# Altium PCB spin5v1_simple.PcbDoc (part 17 of 25)
Units mm, origin at the board's own origin, x right, y up, seen from the top; angles counter-clockwise.
Board outline 220.03 x 233.43 mm, 2 copper layers (TOP, BOTTOM), stack 0.176 mm thick; 1457 components, 4724 nets, 19245 pads, 25289 vias.
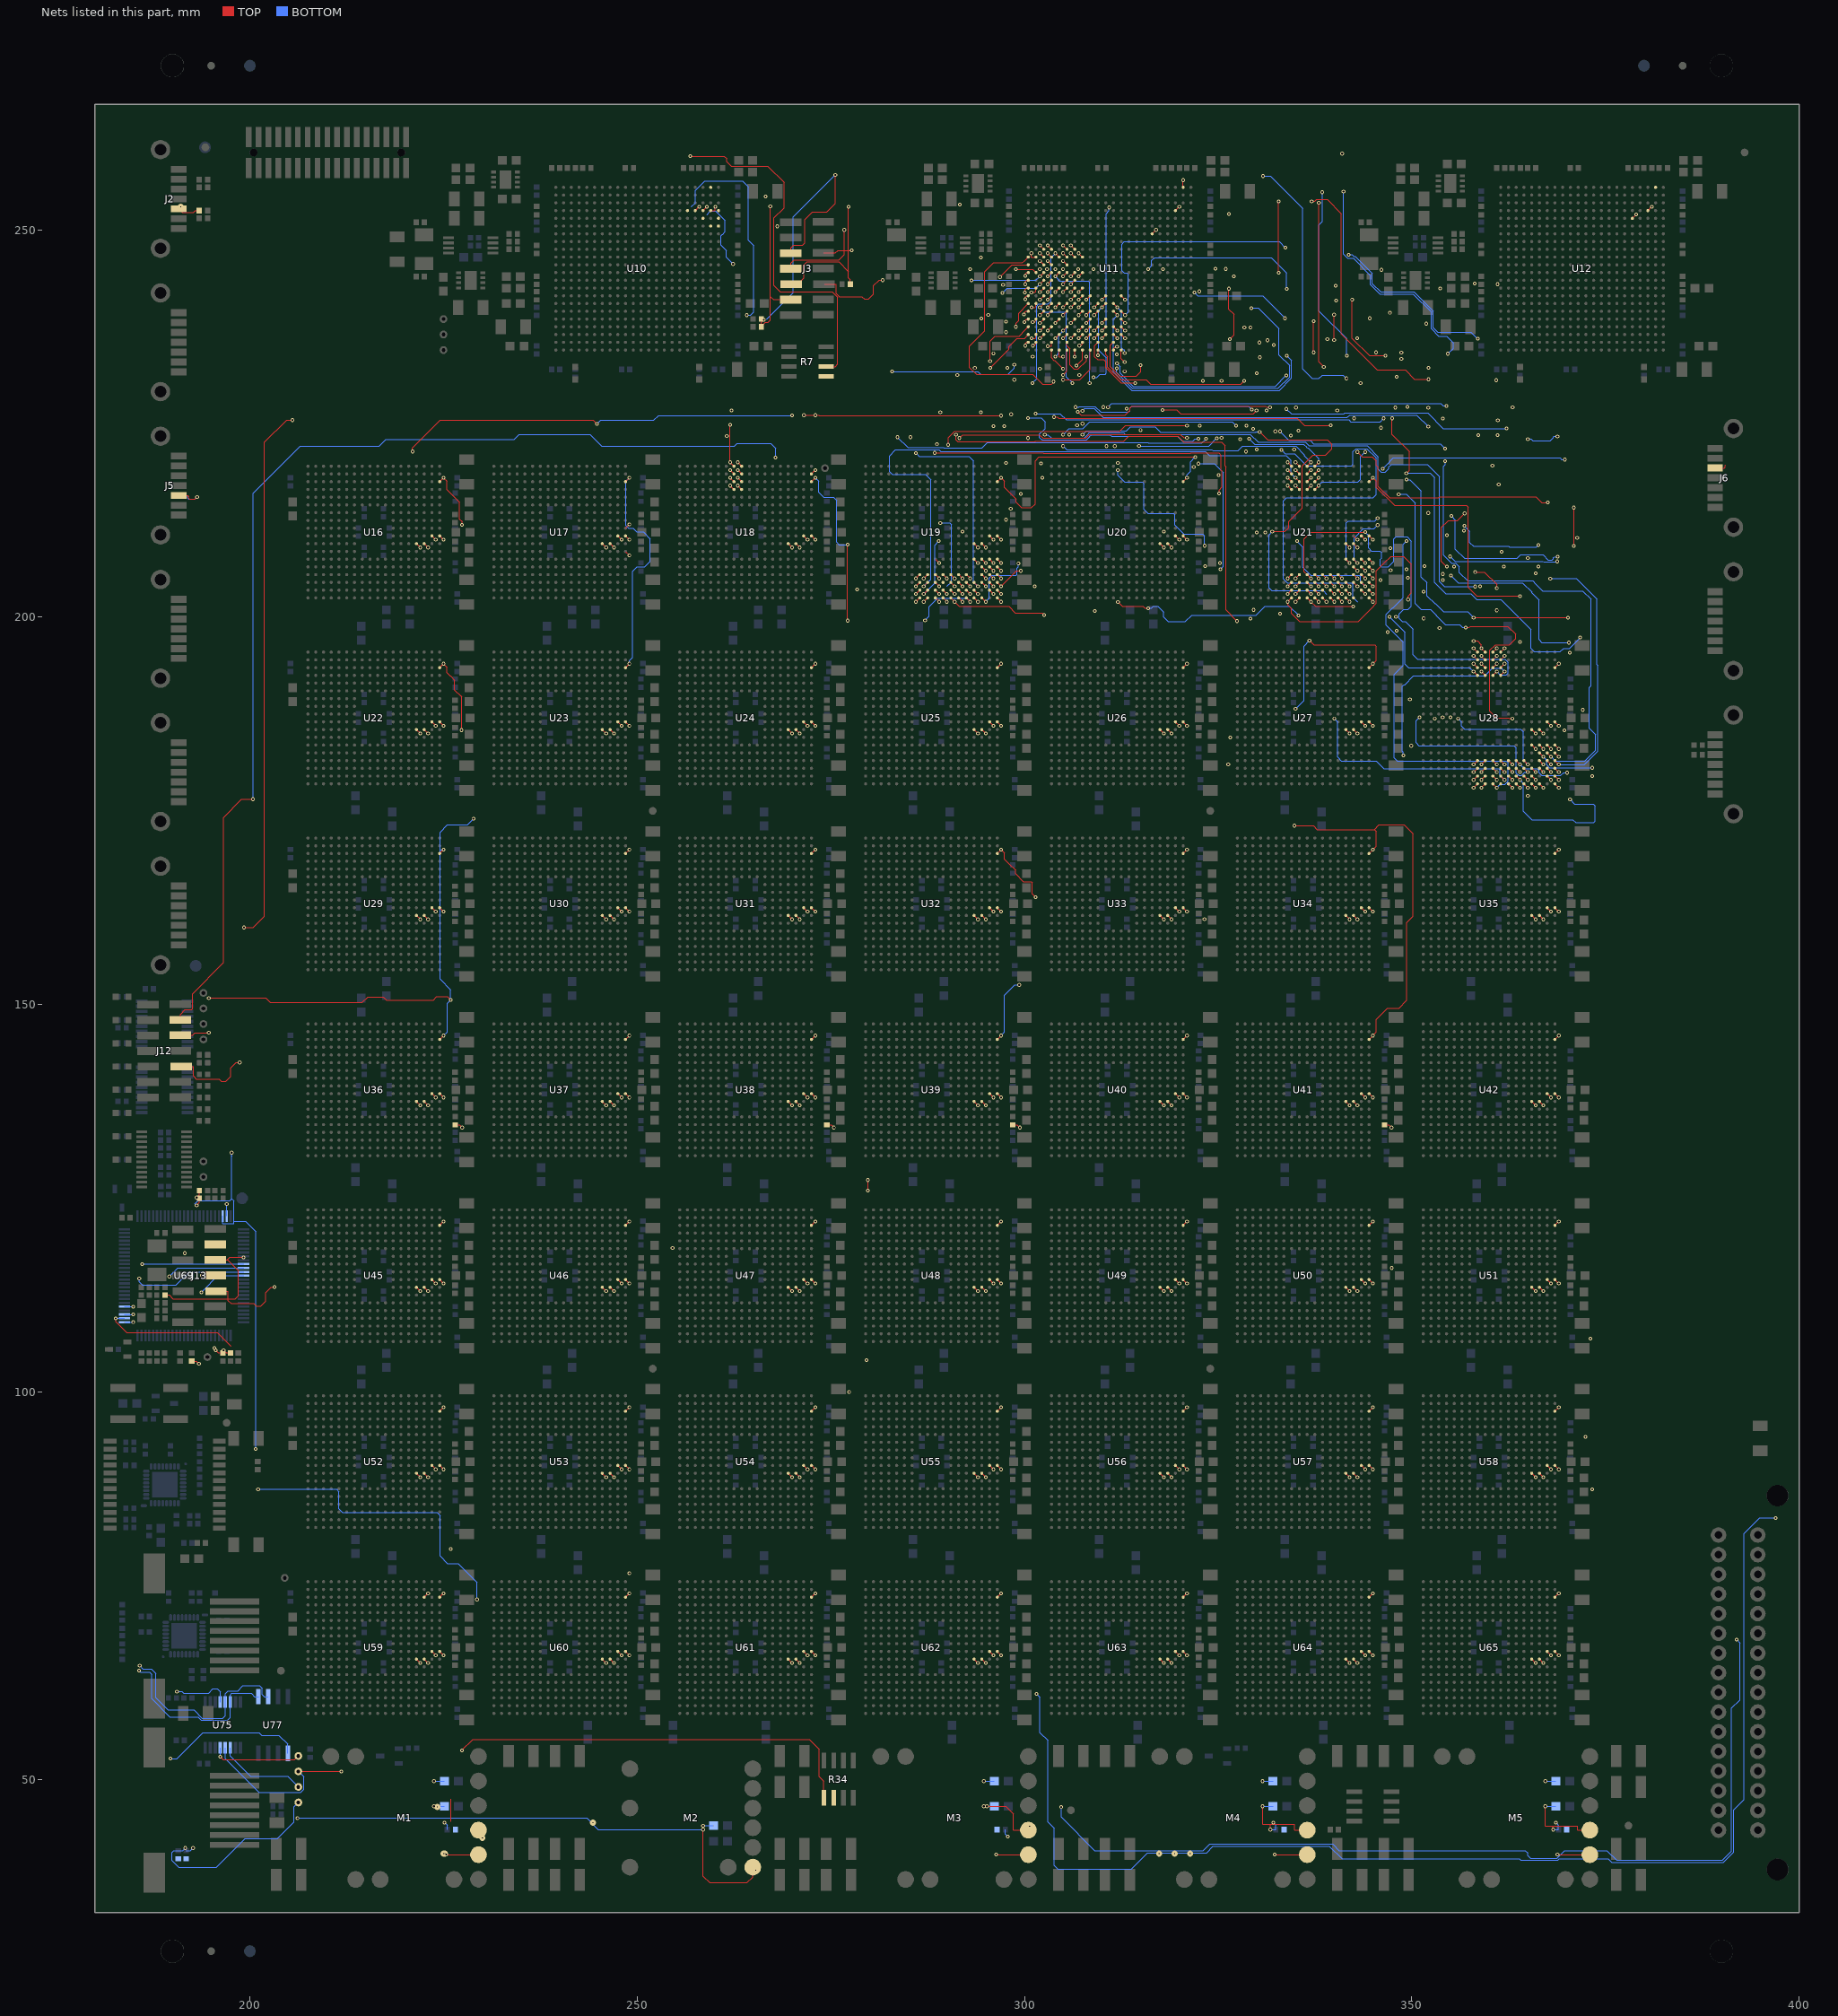
[diagram p17: the nets of this part, all layers, seen from the top]

## Via types
v1: diameter 0.48, hole 0.25, TOP to BOTTOM, 22348 vias
v2: diameter 0.61, hole 0.3, TOP to BOTTOM, 2059 vias
v3: diameter 0.8, hole 0, TOP to BOTTOM, 882 vias

## Nets (pads, with @x,y where several pads share a name; then routed paths per layer and width w, separated by ;. In a path a pad name is that pad's centre, name@x,y a point inside that pad or via, vN(x,y) a via of type N, cw(c..) or ccw(c..) an arc to the next point about the centre after c; other vN are vias at no path point) (continued)
S45_L3<8>: U10.D18 U18.D9 | length 27.5
  BOTTOM w0.127: 257,253 257.505,253.505 257.505,255.125 258.712,256.332 263.592,256.332 264.354,255.57 264.354,248.681 265.031,248.004 265.031,239.391 264.634,238.994 v1(264.146,238.994)
  other v1: 263,217
S45_L3<9>: U10.D19 U18.A8 | length 4.8
  TOP w0.127: v1(262,220) v1(262,224.846)
  other v1: 258,253
S45_L3<10>: U10.D21 U18.B8
  other v1: 262,219 261.569,223.38 260.099,253
S45_L3<11>: U10.D22 U18.C8
  other v1: 262,218 266.597,254.307
S45_L3<12>: U10.E20 U18.D8 | length 9.5
  BOTTOM w0.127: 259,252 259.431,252.431 260.156,252.431 261.363,251.224 261.363,249.75 261.045,249.432 261.022,249.432 260.823,249.233 260.823,248.049 261.51,247.362 261.51,246.475 v1(262.381,245.604)
  other v1: 262,217
S45_L3<13>: U10.E22 U18.A9
  other v1: 263,220
S45_L3<14>: U10.F21 U18.B9
  other v1: 263,219 268.097,250.465
S45_L3<15>: U10.F22 U18.C9
  other v1: 263,218 262.2,226.685
S46_L0<0>: U19.R11 U21.D11 | length 41.9
  TOP w0.127: v1(290.17,222.267) 290.17,223.173 290.996,223.999 312.293,223.999 313.033,224.739 v1(321,224.739)
  BOTTOM w0.127: v1(338,217) 338.431,217.431 343.05,217.431 343.431,217.812 343.431,220.77 v1(344,221.339)
  other v1: 290,205
S46_L0<1>: U19.V10 U21.A10 | length 33.5
  BOTTOM w0.127: v1(305,222.093) 305.469,221.624 324.194,221.624 324.333,221.485 327.574,221.485 328.186,222.097 335.05,222.097 336.193,220.954 336.193,220.807 v1(337,220)
  other v1: 289,202 289.142,226.461
S46_L0<2>: U19.U10 U21.B10
  other v1: 289,203 318,211.068 337,219
S46_L0<3>: U19.T10 U21.C10 | length 41
  BOTTOM w0.127: v1(283.6,223.256) 284.955,221.901 289.56,221.901 289.625,221.836 294.506,221.836 295.202,222.532 315.973,222.532 316.02,222.485 322.909,222.485 v1(323.456,223.032)
  other v1: 289,204 337,218
S46_L0<4>: U19.R10 U21.D10 | length 59.5
  TOP w0.127: v1(291.176,223.559) 291.176,222.897 291.375,222.698 301.394,222.698 301.413,222.717 308.463,222.717 308.476,222.704 312.847,222.704 313.49,223.347 319.821,223.347 320.567,222.601 325.458,222.601 325.903,222.156 325.903,219.521 326.011,219.413 326.011,200.93 v1(327.43,199.511)
  other v1: 289,205 325.243,207 330,210.931 337,217
S46_L0<5>: U19.V11 U21.A11 | length 27.3
  BOTTOM w0.127: v1(282.913,231.716) 293.984,231.716 294.354,231.346 297.869,231.346 298.695,232.172 v1(298.695,232.608) ; v1(329,223.066) 329.715,222.351 336.05,222.351 336.447,221.954 336.447,221.944 336.547,221.844 336.603,221.844 338,220.447 v1(338,220)
  other v1: 290,202 278.393,203.6
S46_L0<6>: U19.U11 U21.B11
  other v1: 290,203 338,219
S46_L0<7>: U19.T11 U21.C11 | length 9.7
  BOTTOM w0.127: v1(289.146,212.172) 290.362,212.172 290.561,211.973 290.561,204.561 290,204
  other v1: 338,218
S46_L0<8>: U19.R9 U21.D9
  other v1: 287,205 335,217
S46_L0<9>: U19.V8 U21.A8
  other v1: 286,202 334,220
S46_L0<10>: U19.U8 U21.B8 | length 30.1
  TOP w0.127: v1(291.607,223.129) 292.038,223.56 301.955,223.56 302.379,223.136 307.951,223.136 308.416,223.601 320.139,223.601 320.569,223.171 v1(321,223.171)
  other v1: 286,203 334,219 334.401,223.466 329.547,224.321
S46_L0<11>: U19.T8 U21.C8
  other v1: 286,204 334,218
S46_L0<12>: U19.R8 U21.D8 | length 23.2
  BOTTOM w0.127: v1(305,223.568) 305.76,224.328 307.538,224.328 308.438,225.228 326.835,225.228 v1(327.341,224.722)
  other v1: 286,205 334,217 285.279,223.256
S46_L0<13>: U19.V9 U21.A9
  other v1: 287,202 335,220
S46_L0<14>: U19.U9 U21.B9 | length 49.9
  TOP w0.127: v1(288.4,221.216) 302.375,221.216 302.446,221.145 321.428,221.145 321.499,221.216 325.077,221.216 325.395,220.898 325.395,218.972 325.503,218.864 325.503,216.793 325.141,216.431 v1(325.141,216)
  BOTTOM w0.127: v1(287,203) 288.426,204.426 288.426,209.32 v1(288.934,209.828)
  other v1: 289,207 335,219
S46_L0<15>: U19.T9 U21.C9 | length 77.2
  BOTTOM w0.127: v1(287,204) 287.918,204.918 287.918,217.732 287.219,218.431 282.95,218.431 282.569,218.812 282.569,220.841 283.331,221.603 283.347,221.603 283.391,221.647 288.946,221.647 289.223,221.37 323.394,221.37 323.901,220.863 333.796,220.863 334.431,220.228 334.431,218.569 v1(335,218)
S46_L1<0>: U11.M1 U19.V16 | length 8.5
  BOTTOM w0.127: v1(295,202) 295.432,202.432 295.432,205.05 295.813,205.431 298.951,205.431 299.051,205.531 299.051,206.351 299.227,206.527 v1(299.227,206.958)
  other v1: 300.099,244.065 305,244.931
S46_L1<1>: U11.M2 U19.V14 | length 7.9
  BOTTOM w0.127: v1(287.168,199.599) 287.685,200.116 287.685,201.351 288.765,202.431 292.569,202.431 v1(293,202)
  other v1: 298.895,244.927
S46_L1<2>: U11.M3 U19.U14 | length 9.1
  BOTTOM w0.127: v1(293.158,243.496) 301.496,243.496 v1(302,244)
  other v1: 293,203
S46_L1<3>: U11.M4 U19.T14
  other v1: 293,204 303,244
S46_L1<4>: U11.M5 U19.R14 | length 17.8
  BOTTOM w0.127: v1(304,244) 304.569,243.431 308.232,243.431 308.431,243.232 v1(308.431,230.23)
  other v1: 293,205 298.695,230.661
S46_L1<5>: U11.M6 U19.V15
  other v1: 294,202 305,244
S46_L1<6>: U11.M7 U19.U15
  other v1: 294,203 294.4,226.461 306,244
S46_L1<7>: U11.M8 U19.T15 | length 24.3
  BOTTOM w0.127: v1(286,221.209) 286.438,220.771 292.859,220.771 293.431,220.199 293.431,204.569 v1(294,204)
  other v1: 294.442,238.567 307,244
S46_L1<8>: U11.N1 U19.R13
  other v1: 292,205 300.099,243
S46_L1<9>: U11.N3 U19.V12 | length 17.5
  TOP w0.127: v1(291,202) 291.597,201.403 297.983,201.403 298.825,200.561 302.288,200.561 v1(302.542,200.307)
  BOTTOM w0.127: v1(297.169,241.866) 297.799,242.496 301.496,242.496 v1(302,243)
  other v1: 299.546,215.938
S46_L1<10>: U11.N4 U19.U12
  other v1: 291,203 303,243
S46_L1<11>: U11.N6 U19.T12
  other v1: 291,204 297.615,212.6 298.295,226.204 305,243
S46_L1<12>: U11.N7 U19.R12
  other v1: 291,205 288.7,222.332 291.34,231.285 306,243
S46_L1<13>: U11.P1 U19.V13
  other v1: 292,202 300.069,241.931
S46_L1<14>: U11.P2 U19.U13
  other v1: 292,203 300.901,241.931
S46_L1<15>: U11.P3 U19.T13
  other v1: 292,204 292,211.067 302,242
S46_L2<0>: U11.J3 U19.R16
  other v1: 295,205 296,224.684 297.812,232.208 302,248
S46_L2<1>: U11.J4 U19.N15
  other v1: 294,207 297.607,219.929 297.4,224.684 297.642,236.801 294.363,246.439 303,248
S46_L2<2>: U11.J6 U19.N16
  other v1: 295,207 295.334,239.033 305,248
S46_L2<3>: U11.J7 U19.N17
  other v1: 296,207 302.931,244.931 306,248
S46_L2<4>: U11.K1 U19.N18 | length 31.5
  TOP w0.127: U11.K1@300.5,246.5 300.02,246.02 300.02,246.008 299.766,245.754 296.034,245.754 294.891,244.611 294.891,236.983 292.915,235.007 292.915,232.235 293.804,231.346 301.087,231.346 302.349,230.084 303.527,230.084 303.767,230.324 v1(303.767,230.43)
  other v1: 297,207 302.132,219.862
S46_L2<5>: U11.K2 U19.P16
  other v1: 295,206 300.901,247
S46_L2<6>: U11.K3 U19.P17
  other v1: 296,206 293.6,232.177 297.242,242.927 302,247
S46_L2<7>: U11.K4 U19.P18
  other v1: 297,206 298.23,214 297.642,238.167 303,247
S46_L2<8>: U11.K5 U19.V18 | length 18.7
  BOTTOM w0.127: v1(301.033,230.23) 301.566,230.763 301.566,240.177 301.82,240.431 303.05,240.431 303.431,240.812 303.431,246.431 v1(304,247)
  other v1: 297,202
S46_L2<9>: U11.K6 U19.R17
  other v1: 296,205 292.991,244.927 305,247
S46_L2<10>: U11.K7 U19.R18
  other v1: 297,205 296,234.07 306,247
S46_L2<11>: U11.K8 U19.T16
  other v1: 295,204 307,247
S46_L2<12>: U11.L1 U19.T17
  other v1: 296,204 296.842,243.927
S46_L2<13>: U11.L3 U19.T18 | length 3.4
  TOP w0.127: v1(297,204) 298.797,205.797 298.797,205.801 298.996,206 v1(299.556,206)
  other v1: 300.465,223.129 302,246
S46_L2<14>: U11.L4 U19.U17
  other v1: 296,203 303,246
S46_L2<15>: U11.L6 U19.U18
  other v1: 297,203 305,246
S47_L0<0>: U21.R11 U28.D11 | length 23.3
  BOTTOM w0.127: v1(348.922,182.158) 348.922,182.589 348.796,182.715 348.796,191.097 348.995,191.296 349.121,191.296 350.256,192.431 359.439,192.431 360.439,193.431 361.569,193.431 v1(362,193)
  other v1: 338,205
S47_L0<1>: U21.V10 U28.A10 | length 5.7
  TOP w0.127: v1(337,202) 337.597,201.403 v1(342.43,201.403)
  other v1: 361,196 361,200.904
S47_L0<2>: U21.U10 U28.B10
  other v1: 361,195 337,203
S47_L0<3>: U21.T10 U28.C10
  other v1: 361,194 337,204
S47_L0<4>: U21.R10 U28.D10 | length 59
  TOP w0.127: U21.R10@336.5,205.5 336.109,205.891 336.109,210.111 336.998,211 v1(344,211)
  BOTTOM w0.127: v1(344,211) 344.432,210.568 344.432,208.95 344.813,208.569 345.903,208.569 346.102,208.37 346.102,207.633 345.949,207.48 345.949,206.604 346.049,206.504 346.969,206.504 347.668,207.203 347.668,210.085 347.986,210.403 349.401,210.403 349.973,209.831 349.973,201.441 349.528,200.996 348.979,200.996 348.407,200.424 348.407,199.865 348.804,199.468 349.188,199.468 350.204,198.452 350.204,195.141 350.776,194.569 362.05,194.569 362.431,194.188 362.431,192.768 362.232,192.569 361.431,192.569 v1(361,193)
  other v1: 337,205
S47_L0<5>: U21.V11 U28.A11
  other v1: 362,196 338,202
S47_L0<6>: U21.U11 U28.B11
  other v1: 362,195 338,203
S47_L0<7>: U21.T11 U28.C11
  other v1: 362,194 338,204
S47_L0<8>: U21.R9 U28.D9
  other v1: 359,193 335,205
S47_L0<9>: U21.V8 U28.A8 | length 28.7
  TOP w0.127: v1(334,202) 334,201.608 334.496,201.112 334.496,200.489 335.512,199.473 343.109,199.473 344.824,201.188 344.824,201.201 345.432,201.809 345.432,205.996 346.448,207.012 346.461,207.012 347.315,207.866 348.942,207.866 349.958,206.85 349.958,203.135 349.542,202.719 v1(349.542,202.288)
  other v1: 358,196 343,210
S47_L0<10>: U21.U8 U28.B8
  other v1: 358,195 334,203
S47_L0<11>: U21.T8 U28.C8
  other v1: 358,194 346.917,198.083 334,204
S47_L0<12>: U21.R8 U28.D8 | length 16.2
  BOTTOM w0.127: v1(347.131,200.057) 347.974,199.214 348.007,199.214 349.15,198.071 349.15,193.949 349.595,193.504 357.496,193.504 v1(358,193)
  other v1: 334,205
S47_L0<13>: U21.V9 U28.A9 | length 1.6
  TOP w0.127: v1(358,196.939) 358.492,196.939 359,196.431 v1(359,196)
  other v1: 348.076,198.275 335,202
S47_L0<14>: U21.U9 U28.B9
  other v1: 359,195 335,203
S47_L0<15>: U21.T9 U28.C9
  other v1: 359,194 347.976,200.057 335,204 358.831,203.978 354.034,204.795
S47_L1<0>: U11.T7 U21.V16 | length 54.4
  BOTTOM w0.127: v1(333.201,221.6) 333.684,221.117 334.911,221.117 336.459,219.569 342.232,219.569 342.431,219.768 342.431,221.389 342.812,221.77 344.224,221.77 345.431,220.563 345.431,215.812 345.05,215.431 333.82,215.431 333.439,215.05 333.439,204.939 333.947,204.431 342.232,204.431 342.431,204.232 342.431,202.569 343,202
  other v1: 312.951,231.754 306,240
S47_L1<1>: U11.U1 U21.V14 | length 33.9
  TOP w0.127: v1(337.086,253.7) 337.517,253.7 337.748,253.931 339.097,253.931 340.939,252.089 340.939,236.551 345.575,231.915 349.176,231.915 350.377,230.714 v1(352.187,230.714)
  other v1: 351.561,199.857 341,202 299.935,239.099 302,244.931
S47_L1<2>: U11.U3 U21.U14
  other v1: 341,203 302,232.066 302,239
S47_L1<3>: U11.U4 U21.T14 | length 3.3
  TOP w0.127: v1(339.98,235.8) v1(339.98,239.054)
  other v1: 341,204 303,239 304,244.931
S47_L1<4>: U11.U6 U21.R14
  other v1: 329.6,200.949 341,205 311.667,222.093 307.099,231.258 305,239
S47_L1<5>: U11.V1 U21.V15 | length 7
  TOP w0.127: v1(326.402,242.417) 326.402,239.739 327.05,239.091 327.05,236.426 v1(326.541,235.917)
  other v1: 342,202 300.017,238.099
S47_L1<6>: U11.V2 U21.U15
  other v1: 342,203 346,204.8 347.885,227.077 301.069,238.099
S47_L1<7>: U11.V3 U21.T15
  other v1: 342,204 302,238
S47_L1<8>: U11.V5 U21.R13
  other v1: 340,205 325.448,223.171 305.8,223.568 340.4,226.677 325.448,230.515 304,238
S47_L1<9>: U11.V7 U21.V12
  other v1: 339,202 306,238
S47_L1<10>: U11.W1 U21.U12 | length 65.1
  TOP w0.127: v1(330.37,223.916) 331.396,222.89 339.113,222.89 339.685,222.318 339.685,221.765 338.859,220.939 337.289,220.939 335.892,219.542 335.892,214.111 334.145,212.364 334.145,211.577 333.637,211.069 v1(332,211.069)
  BOTTOM w0.127: v1(307.499,223.568) 308.005,224.074 313.163,224.074 313.687,224.598 316.855,224.598 317.563,223.89 329.913,223.89 329.939,223.916 v1(330.37,223.916) ; v1(332,211.069) 331.569,210.638 331.569,203.812 331.95,203.431 338.569,203.431 339,203
  other v1: 295.569,233.07
S47_L1<11>: U11.W3 U21.T12
  other v1: 339,204 323.333,206.6 322.656,224.721 302,237
S47_L1<12>: U11.W4 U21.R12 | length 9.2
  TOP w0.127: v1(332.827,244.465) v1(332.827,253.687)
  other v1: 333,200.442 339,205 303,237
S47_L1<13>: U11.W6 U21.V13 | length 30.1
  TOP w0.127: v1(312.066,201.973) 312.636,201.403 315.324,201.403 315.569,201.158 v1(316,201.158)
  BOTTOM w0.127: v1(304,233.625) 304.431,234.056 304.431,236.431 v1(305,237) ; v1(316,201.158) 316.431,201.158 316.676,201.403 317.233,201.403 317.995,200.641 317.995,200.006 318.567,199.434 320.773,199.434 321.613,200.274 329.92,200.274 331.077,201.431 334.211,201.431 v1(335.4,200.242)
  other v1: 340,202 301.342,203.993 302.332,218
S47_L1<14>: U11.Y1 U21.U13
  other v1: 329.2,199.843 340,203 295.6,232.209
S47_L1<15>: U11.Y2 U21.T13 | length 34.1
  BOTTOM w0.127: v1(330.8,256.947) 331.741,256.947 335.932,252.756 335.932,232.042 337.139,230.835 338.042,230.835 338.468,231.261 341.169,231.261 v1(341.6,230.83)
  other v1: 340,204 300.933,236.001
S47_L2<0>: U11.P4 U21.R16
  other v1: 343,205 343.4,230.23 330.009,231.5 303,242
S47_L2<1>: U11.P5 U21.N15 | length 9.7
  BOTTOM w0.127: v1(342,207) 341.568,207.432 341.568,212.177 341.822,212.431 345.237,212.431 v1(345.607,212.801)
  other v1: 345.4,234.193 328.4,237.401 304,242
S47_L2<2>: U11.P6 U21.N16 | length 20.2
  BOTTOM w0.127: v1(321.959,241.931) 322.394,241.496 330.763,241.496 v1(333.658,238.601) ; v1(343,207) 342.568,207.432 342.568,210.224 343.775,211.431 345.138,211.431 v1(345.607,211.9)
  other v1: 344.6,238.601 305,242
S47_L2<3>: U11.P7 U21.N17 | length 21.8
  BOTTOM w0.127: v1(316,244.931) 316.431,245.362 316.431,246.05 316.812,246.431 331.896,246.431 333.865,244.462 v1(333.865,242.379)
  other v1: 354.034,205.593 344,207 354.034,225.664 335.07,227.077 306,242 306.931,244.931
S47_L2<4>: U11.P8 U21.N18
  other v1: 349.328,206.2 345,207 307,242
S47_L2<5>: U11.R1 U21.P16 | length 10.2
  TOP w0.127: v1(342.312,241.004) 342.312,235.984 344.535,233.761 v1(346.614,233.761)
  other v1: 343,206 347.282,206.073 300.099,241.066 322.566,242.065
S47_L2<6>: U11.R3 U21.P17 | length 42.4
  BOTTOM w0.127: v1(300.465,225.714) 302.156,225.714 302.664,225.206 302.664,224.356 301.948,223.64 301.948,223.201 302.266,222.883 307.993,222.883 308.438,223.328 308.438,223.367 308.637,223.566 311.027,223.566 311.246,223.347 319.781,223.347 320.388,222.74 321.732,222.74 322.024,223.032 v1(322.455,223.032) ; v1(322.455,219.831) 324.531,219.831 325.674,218.688 325.674,206.548 v1(325.326,206.2)
  other v1: 344,206 301.069,233.625 302,241
S47_L2<7>: U11.R4 U21.P18
  other v1: 345,206 351.674,206.6 348.668,234.177 331.402,235.761 303,241
S47_L2<8>: U11.R7 U21.V18
  other v1: 345,202 310.201,227.122 306,241
S47_L2<9>: U11.R8 U21.R17
  other v1: 344,205 311.93,233.934 307,241
S47_L2<10>: U11.T1 U21.R18
  other v1: 345,205 331.099,210.931 298.908,237.499
S47_L2<11>: U11.T2 U21.T16 | length 36.2
  TOP w0.127: v1(303.833,225.855) 304.264,225.855 304.441,225.678 335.261,225.678 336.055,224.884 336.055,224.874 336.155,224.774 v1(339.548,224.774)
  other v1: 343,204 300.932,240
S47_L2<12>: U11.T3 U21.T17 | length 26.2
  BOTTOM w0.127: v1(302,240) 302.569,239.431 305.232,239.431 305.431,239.232 305.431,231.007 v1(306.208,230.23) ; v1(335.2,209.828) 335.939,209.089 335.939,206.447 336.955,205.431 343.232,205.431 343.431,205.232 343.431,204.569 v1(344,204)
  other v1: 321.862,219.4 312.069,219.902 334.834,221.666
S47_L2<13>: U11.T4 U21.T18
  other v1: 345,204 303,240
S47_L2<14>: U11.T5 U21.U17
  other v1: 344,203 342.963,236 329.207,237.401 304,240
S47_L2<15>: U11.T6 U21.U18
  other v1: 345,203 305,240
S48_L0<0>: U11.R13 U28.R11
  other v1: 362,181 360.435,219.588 351.907,237.9 340.254,240.898 313,241
S48_L0<1>: U11.T12 U28.V10 | length 56
  BOTTOM w0.127: v1(312,240) 312.521,239.479 312.521,234.784 312.775,234.53 312.951,234.53 v1(312.951,234.099) ; v1(349.334,209.842) 348.896,209.404 348.896,202.52 347.626,201.25 347.589,201.25 346.7,200.361 346.7,198.96 348.896,196.764 348.896,193.757 347.754,192.615 347.754,181.842 348.151,181.445 362.177,181.445 362.431,181.191 362.431,178.812 362.05,178.431 361.431,178.431 v1(361,178)
  other v1: 330.402,233.561
S48_L0<2>: U11.U12 U28.U10 | length 35.3
  BOTTOM w0.127: v1(312,239) 311.492,238.492 311.492,231.641 313.842,229.291 332.904,229.291 334.492,230.879 334.492,233.139 v1(333.87,233.761)
  other v1: 361,179 354,187.069 353.6,198.607 348.084,231.037
S48_L0<3>: U11.U13 U28.T10 | length 54.7
  BOTTOM w0.127: v1(313,239) 313.431,239.431 313.431,244.232 313.232,244.431 312.887,244.431 312.569,244.749 312.569,248.178 312.887,248.496 332.908,248.496 v1(333.689,247.715) ; v1(341.881,246.8) 342.312,246.8 342.515,246.597 342.709,246.597 344.932,244.374 344.932,243.065 346.012,241.985 350.308,241.985 352.785,239.508 352.785,237.372 353.357,236.8 357.673,236.8 v1(358.531,235.942)
  other v1: 361,180
S48_L0<4>: U11.V11 U28.R10 | length 39.8
  TOP w0.127: v1(354.536,206.524) 353.851,207.209 353.851,211.594 354.74,212.483 355.929,212.483 v1(356.844,213.398)
  BOTTOM w0.127: v1(341.197,254.965) 341.197,246.851 341.705,246.343 342.455,246.343 344.678,244.12 344.678,242.938 345.885,241.731 350.181,241.731 352.531,239.381 352.531,237.245 353.484,236.292 354.496,236.292 355.385,235.403 355.385,234.696 355.258,234.569 355.202,234.569 v1(354.659,234.026)
  other v1: 361,181 349.955,183.4 310,238
S48_L0<5>: U11.V13 U28.V11 | length 4
  TOP w0.127: v1(337.34,234.194) v1(337.34,238.201)
  other v1: 353,186.931 313,238
S48_L0<6>: U11.W11 U28.U11 | length 66.1
  TOP w0.127: v1(338.025,253.5) 338.025,232.965 v1(338.663,232.327)
  BOTTOM w0.127: v1(310,237) 310.57,237.57 310.57,252.106 310.934,252.47 v1(310.934,252.901) ; v1(340,186.931) 340.431,186.5 340.431,181.939 340.939,181.431 345.439,181.431 346.439,180.431 361.232,180.431 361.431,180.232 361.431,179.569 v1(362,179)
S48_L0<7>: U11.W12 U28.T11 | length 4
  TOP w0.127: v1(358.182,205.827) 359.412,205.827 361,204.239 v1(361,203.764)
  other v1: 362,180 339.118,235.9 312,237
S48_L0<8>: U11.W13 U28.R9
  other v1: 359,181 349.773,189.4 327.862,222.991 313.2,226.914 349.466,227.148 313,237
S48_L0<9>: U11.Y11 U28.V8
  other v1: 358,178 326.322,181 309.073,200.811 310,236
S48_L0<10>: U11.Y12 U28.U8
  other v1: 358,179 312,236 317.901,244.931
S48_L0<11>: U11.Y13 U28.T8
  other v1: 358,180 330.359,235.465 313,236
S48_L0<12>: U11.AA12 U28.R8
  other v1: 358,181 326.569,184.467 315,232.554
S48_L0<13>: U11.AB11 U28.V9 | length 21
  TOP w0.127: U11.AB11@310.5,234.5 310.5,233.889 310.75,233.639 310.75,232.312 312.401,230.661 315.71,230.661 316.287,230.084 327.933,230.084 v1(328.364,230.515)
  other v1: 359,178 352.173,232.183
S48_L0<14>: U11.AB12 U28.U9
  other v1: 359,179 355,187.067 311.951,234.901
S48_L0<15>: U11.AB13 U28.T9
  other v1: 359,180 358.6,223.508 335.37,224.098 331.281,226.685 312.951,232.954
S48_L1<0>: U11.R9 U28.V16 | length 47.5
  BOTTOM w0.127: v1(311.923,232.154) 311.923,231.577 313.955,229.545 332.777,229.545 334.238,231.006 334.238,232.509 332.887,233.86 332.887,237.24 330.22,239.907 v1(329.297,239.907) ; v1(356.793,211.798) 357.478,211.113 357.478,209.664 357.986,209.156 362.535,209.156 362.616,209.075 366.097,209.075 v1(366.35,209.328)
  other v1: 367,178 347.204,239.3 308,241

## Text inside footprints (layer, text, board x,y; h text height)
R155: PIN_NUMBER "2" at 225.39,87.03 h0.8 r180; PIN_NUMBER "1" at 225.43,85.97 h0.8 r180
R156: PIN_NUMBER "1" at 183.33,85.43 h0.8 r90; PIN_NUMBER "2" at 184.39,85.47 h0.8 r90
R157: PIN_NUMBER "1" at 191.58,84.43 h0.8 r90; PIN_NUMBER "2" at 192.64,84.47 h0.8 r90
R158: PIN_NUMBER "1" at 183.33,83.93 h0.8 r90; PIN_NUMBER "2" at 184.39,83.97 h0.8 r90
R159: PIN_NUMBER "1" at 183.33,82.93 h0.8 r90; PIN_NUMBER "2" at 184.39,82.97 h0.8 r90
R160: PIN_NUMBER "2" at 191.89,80.97 h0.8 r90; PIN_NUMBER "1" at 190.83,80.93 h0.8 r90
R161: PIN_NUMBER "1" at 194.43,72.97 h0.8 r180; PIN_NUMBER "2" at 194.39,74.03 h0.8 r180
R162: PIN_NUMBER "2" at 183.33,71.47 h0.8; PIN_NUMBER "1" at 183.29,72.53 h0.8
R163: PIN_NUMBER "1" at 369.43,70.97 h0.8 r180; PIN_NUMBER "2" at 369.39,72.03 h0.8 r180
R164: PIN_NUMBER "1" at 345.43,70.97 h0.8 r180; PIN_NUMBER "2" at 345.39,72.03 h0.8 r180
R165: PIN_NUMBER "1" at 321.43,70.97 h0.8 r180; PIN_NUMBER "2" at 321.39,72.03 h0.8 r180
R166: PIN_NUMBER "1" at 297.43,70.97 h0.8 r180; PIN_NUMBER "2" at 297.39,72.03 h0.8 r180
R167: PIN_NUMBER "1" at 273.43,70.97 h0.8 r180; PIN_NUMBER "2" at 273.39,72.03 h0.8 r180
R168: PIN_NUMBER "1" at 249.43,70.97 h0.8 r180; PIN_NUMBER "2" at 249.39,72.03 h0.8 r180
R169: PIN_NUMBER "1" at 225.43,70.97 h0.8 r180; PIN_NUMBER "2" at 225.39,72.03 h0.8 r180
R170: PIN_NUMBER "1" at 186.39,70.57 h0.8 r270; PIN_NUMBER "2" at 185.33,70.53 h0.8 r270
R171: PIN_NUMBER "1" at 195.33,70.93 h0.8 r90; PIN_NUMBER "2" at 196.39,70.97 h0.8 r90
R172: PIN_NUMBER "2" at 182.39,70.53 h0.8 r180; PIN_NUMBER "1" at 182.43,69.47 h0.8 r180
R173: PIN_NUMBER "2" at 183.33,67.47 h0.8; PIN_NUMBER "1" at 183.29,68.53 h0.8
R174: PIN_NUMBER "2" at 195.33,66.03 h0.8 r270; PIN_NUMBER "1" at 196.39,66.07 h0.8 r270
R175: PIN_NUMBER "2" at 182.39,66.53 h0.8 r180; PIN_NUMBER "1" at 182.43,65.47 h0.8 r180
R176: PIN_NUMBER "2" at 191.39,64.03 h0.8 r180; PIN_NUMBER "1" at 191.43,62.97 h0.8 r180
R177: PIN_NUMBER "2" at 369.39,63.03 h0.8 r180; PIN_NUMBER "1" at 369.43,61.97 h0.8 r180
R178: PIN_NUMBER "2" at 345.39,63.03 h0.8 r180; PIN_NUMBER "1" at 345.43,61.97 h0.8 r180
R179: PIN_NUMBER "2" at 321.39,63.03 h0.8 r180; PIN_NUMBER "1" at 321.43,61.97 h0.8 r180
R180: PIN_NUMBER "2" at 297.39,63.03 h0.8 r180; PIN_NUMBER "1" at 297.43,61.97 h0.8 r180
R181: PIN_NUMBER "2" at 273.39,63.03 h0.8 r180; PIN_NUMBER "1" at 273.43,61.97 h0.8 r180
R182: PIN_NUMBER "2" at 249.39,63.03 h0.8 r180; PIN_NUMBER "1" at 249.43,61.97 h0.8 r180
R183: PIN_NUMBER "2" at 225.39,63.03 h0.8 r180; PIN_NUMBER "1" at 225.43,61.97 h0.8 r180
R184: PIN_NUMBER "1" at 191.89,60.07 h0.8 r270; PIN_NUMBER "2" at 190.83,60.03 h0.8 r270
R185: PIN_NUMBER "1" at 188.83,60.93 h0.8 r90; PIN_NUMBER "2" at 189.89,60.97 h0.8 r90
R186: PIN_NUMBER "2" at 326.83,53.53 h0.8 r270; PIN_NUMBER "1" at 327.89,53.57 h0.8 r270
R187: PIN_NUMBER "2" at 219.83,53.53 h0.8 r270; PIN_NUMBER "1" at 220.89,53.57 h0.8 r270
R188: PIN_NUMBER "1" at 193.89,51.57 h0.8 r270; PIN_NUMBER "2" at 192.83,51.53 h0.8 r270
R189: PIN_NUMBER "1" at 367.96,50.37 h0.8 r90; PIN_NUMBER "2" at 369.76,50.4 h0.8 r90
R190: PIN_NUMBER "1" at 331.46,50.37 h0.8 r90; PIN_NUMBER "2" at 333.26,50.4 h0.8 r90
R191: PIN_NUMBER "2" at 297.26,50.4 h0.8 r90; PIN_NUMBER "1" at 295.46,50.37 h0.8 r90
R192: PIN_NUMBER "2" at 226.26,50.4 h0.8 r90; PIN_NUMBER "1" at 224.46,50.37 h0.8 r90
R193: PIN_NUMBER "2" at 369.76,47.15 h0.8 r90; PIN_NUMBER "1" at 367.96,47.12 h0.8 r90
R194: PIN_NUMBER "2" at 333.26,47.15 h0.8 r90; PIN_NUMBER "1" at 331.46,47.12 h0.8 r90
R195: PIN_NUMBER "1" at 295.46,47.12 h0.8 r90; PIN_NUMBER "2" at 297.26,47.15 h0.8 r90
R196: PIN_NUMBER "1" at 224.46,47.12 h0.8 r90; PIN_NUMBER "2" at 226.26,47.15 h0.8 r90
R197: PIN_NUMBER "2" at 261.01,44.65 h0.8 r90; PIN_NUMBER "1" at 259.21,44.62 h0.8 r90
R198: PIN_NUMBER "1" at 368.33,43.93 h0.8 r90; PIN_NUMBER "2" at 369.39,43.97 h0.8 r90
R199: PIN_NUMBER "1" at 331.83,43.93 h0.8 r90; PIN_NUMBER "2" at 332.89,43.97 h0.8 r90
R200: PIN_NUMBER "1" at 296.89,43.07 h0.8 r270; PIN_NUMBER "2" at 295.83,43.03 h0.8 r270
R201: PIN_NUMBER "1" at 224.83,43.93 h0.8 r90; PIN_NUMBER "2" at 225.89,43.97 h0.8 r90
R202: PIN_NUMBER "2" at 261.01,42.65 h0.8 r90; PIN_NUMBER "1" at 259.21,42.62 h0.8 r90
R203: PIN_NUMBER "2" at 191.58,39.72 h0.8; PIN_NUMBER "1" at 191.54,40.78 h0.8
R204: PIN_NUMBER "2" at 190.58,39.72 h0.8; PIN_NUMBER "1" at 190.54,40.78 h0.8
SW1: PIN_NUMBER "2" at 183.092,99.5 h0.64 r270; PIN_NUMBER "1" at 189.892,99.6 h0.64 r270; PIN_NUMBER "4" at 183.092,97.1 h0.64 r270; PIN_NUMBER "3" at 189.892,97.1 h0.64 r270
T1: PIN_NUMBER "13" at 182.696,94.13 h0.64 r180; PIN_NUMBER "15" at 182.696,92.09 h0.64 r180; PIN_NUMBER "16" at 182.696,91.07 h0.64 r180; PIN_NUMBER "18" at 182.696,89.03 h0.64 r180; PIN_NUMBER "22" at 182.696,84.95 h0.64 r180; PIN_NUMBER "24" at 182.696,82.91 h0.64 r180; PIN_NUMBER "19" at 182.696,88.01 h0.64 r180; PIN_NUMBER "21" at 182.696,85.97 h0.64 r180; PIN_NUMBER "23" at 182.696,83.93 h0.64 r180; PIN_NUMBER "17" at 182.696,90.05 h0.64 r180; PIN_NUMBER "14" at 182.696,93.11 h0.64 r180; PIN_NUMBER "20" at 182.696,86.99 h0.64 r180; PIN_NUMBER "11" at 192.796,93.11 h0.64 r180; PIN_NUMBER "8" at 193.308,90.05 h0.64 r180; PIN_NUMBER "5" at 193.308,86.99 h0.64 r180; PIN_NUMBER "2" at 193.308,83.93 h0.64 r180; PIN_NUMBER "4" at 193.308,85.97 h0.64 r180; PIN_NUMBER "7" at 193.308,89.03 h0.64 r180; PIN_NUMBER "6" at 193.308,88.01 h0.64 r180; PIN_NUMBER "9" at 193.308,91.07 h0.64 r180; PIN_NUMBER "1" at 193.308,82.91 h0.64 r180; PIN_NUMBER "10" at 192.796,92.09 h0.64 r180; PIN_NUMBER "3" at 193.308,84.95 h0.64 r180; PIN_NUMBER "12" at 192.796,94.13 h0.64 r180
TP1: PIN_NUMBER "1" at 223.222,238.5 h0.64
TP2: PIN_NUMBER "1" at 223.222,236.5 h0.64
TP3: PIN_NUMBER "1" at 223.222,234.5 h0.64
TP4: PIN_NUMBER "1" at 272.472,219.25 h0.64
TP5: PIN_NUMBER "1" at 192.222,151.5 h0.64
TP6: PIN_NUMBER "1" at 192.222,149.5 h0.64
TP7: PIN_NUMBER "1" at 192.222,147.5 h0.64
TP8: PIN_NUMBER "1" at 192.222,145.5 h0.64
TP9: PIN_NUMBER "1" at 192.222,129.75 h0.64
TP10: PIN_NUMBER "1" at 192.222,127.75 h0.64
TP11: PIN_NUMBER "1" at 192.722,104.5 h0.64
TP12: PIN_NUMBER "1" at 202.722,76 h0.64
TP13: PIN_NUMBER "1" at 204.472,53 h0.64
TP14: PIN_NUMBER "1" at 204.472,51 h0.64
TP15: PIN_NUMBER "1" at 204.472,49 h0.64
TP16: PIN_NUMBER "1" at 204.472,47 h0.64
U1: PIN_NUMBER "7" at 235.137,257.025 h0.64 r90; PIN_NUMBER "8" at 235.117,257.685 h0.64 r90; PIN_NUMBER "3" at 230.497,256.38 h0.64 r90; PIN_NUMBER "6" at 235.137,256.36 h0.64 r90; PIN_NUMBER "5" at 235.147,255.74 h0.64 r90; PIN_NUMBER "2" at 230.492,257.04 h0.64 r90; PIN_NUMBER "1" at 230.492,257.665 h0.64 r90; PIN_NUMBER "4" at 230.502,255.725 h0.64 r90; PIN_NUMBER "9" at 232.492,255.23 h0.64 r90
U2: PIN_NUMBER "7" at 296.137,256.525 h0.64 r90; PIN_NUMBER "8" at 296.117,257.185 h0.64 r90; PIN_NUMBER "3" at 291.497,255.88 h0.64 r90; PIN_NUMBER "6" at 296.137,255.86 h0.64 r90; PIN_NUMBER "5" at 296.147,255.24 h0.64 r90; PIN_NUMBER "2" at 291.492,256.54 h0.64 r90; PIN_NUMBER "1" at 291.492,257.165 h0.64 r90; PIN_NUMBER "4" at 291.502,255.225 h0.64 r90; PIN_NUMBER "9" at 293.492,254.73 h0.64 r90
U3: PIN_NUMBER "3" at 352.497,255.88 h0.64 r90; PIN_NUMBER "6" at 357.137,255.86 h0.64 r90; PIN_NUMBER "5" at 357.147,255.24 h0.64 r90; PIN_NUMBER "1" at 352.492,257.165 h0.64 r90; PIN_NUMBER "2" at 352.492,256.54 h0.64 r90; PIN_NUMBER "8" at 357.117,257.185 h0.64 r90; PIN_NUMBER "7" at 357.137,256.525 h0.64 r90; PIN_NUMBER "4" at 352.502,255.225 h0.64 r90; PIN_NUMBER "9" at 354.492,254.73 h0.64 r90
U4: PIN_NUMBER "8" at 231.78,248.98 h0.8 r90; PIN_NUMBER "6" at 231.78,247.68 h0.8 r90; PIN_NUMBER "7" at 231.79,248.32 h0.8 r90; PIN_NUMBER "4" at 224.19,247.03 h0.8 r90; PIN_NUMBER "3" at 224.18,247.68 h0.8 r90; PIN_NUMBER "1" at 224.19,248.98 h0.8 r90; PIN_NUMBER "2" at 224.2,248.32 h0.8 r90; PIN_NUMBER "5" at 231.77,247.02 h0.8 r90
U5: PIN_NUMBER "8" at 292.78,248.98 h0.8 r90; PIN_NUMBER "6" at 292.78,247.68 h0.8 r90; PIN_NUMBER "7" at 292.79,248.32 h0.8 r90; PIN_NUMBER "4" at 285.19,247.03 h0.8 r90; PIN_NUMBER "3" at 285.18,247.68 h0.8 r90; PIN_NUMBER "1" at 285.19,248.98 h0.8 r90; PIN_NUMBER "2" at 285.2,248.32 h0.8 r90; PIN_NUMBER "5" at 292.77,247.02 h0.8 r90
U6: PIN_NUMBER "8" at 353.78,248.98 h0.8 r90; PIN_NUMBER "4" at 346.19,247.03 h0.8 r90; PIN_NUMBER "6" at 353.78,247.68 h0.8 r90; PIN_NUMBER "7" at 353.79,248.32 h0.8 r90; PIN_NUMBER "3" at 346.18,247.68 h0.8 r90; PIN_NUMBER "1" at 346.19,248.98 h0.8 r90; PIN_NUMBER "2" at 346.2,248.32 h0.8 r90; PIN_NUMBER "5" at 353.77,247.02 h0.8 r90
U7: PIN_NUMBER "2" at 221.86,246.7 h0.8 r270; PIN_NUMBER "1" at 221.86,248.15 h0.8 r270
U8: PIN_NUMBER "2" at 282.86,246.7 h0.8 r270; PIN_NUMBER "1" at 282.86,248.15 h0.8 r270
U9: PIN_NUMBER "2" at 343.86,246.7 h0.8 r270; PIN_NUMBER "1" at 343.86,248.15 h0.8 r270